# Altium PCB RabbitMask.PcbDoc (part 2 of 5)
Units mm, origin at the board's own origin, x right, y up, seen from the top; angles counter-clockwise.
Board outline 372.49 x 232.54 mm, 2 copper layers (Top Layer, Bottom Layer); 598 components, 1202 nets, 3588 pads, 0 vias.
Unrouted connection lines stored in the file: 1647.

## Board outline (continued)
cut-out: 214.997,13.266 ccw(c215.247,13.266) 215.247,13.016 ccw(c215.247,13.266) 215.497,13.266 ccw(c215.247,13.266) 215.247,13.516 ccw(c215.247,13.266)
cut-out: 211.369,12.952 ccw(c211.732,13.884) 212.101,14.813 194.383,21.712 ccw(c194.026,20.777) 193.664,19.845
cut-out: 212.625,12.687 ccw(c212.875,12.687) 212.875,12.437 ccw(c212.875,12.687) 213.125,12.687 ccw(c212.875,12.687) 212.875,12.937 ccw(c212.875,12.687)
cut-out: 213.807,12.074 ccw(c213.807,12.324) 214.057,12.324 ccw(c213.807,12.324) 213.807,12.574 ccw(c213.807,12.324) 213.557,12.324 ccw(c213.807,12.324)
cut-out: 214.739,11.711 ccw(c214.739,11.961) 214.989,11.961 ccw(c214.739,11.961) 214.739,12.211 ccw(c214.739,11.961) 214.489,11.961 ccw(c214.739,11.961)
cut-out: 190.243,-11.225 ccw(c190.493,-11.225) 190.493,-11.475 ccw(c190.493,-11.225) 190.743,-11.225 ccw(c190.493,-11.225) 190.493,-10.975 ccw(c190.493,-11.225)
cut-out: 189.854,-9.263 ccw(c190.104,-9.263) 190.104,-9.513 ccw(c190.104,-9.263) 190.354,-9.263 ccw(c190.104,-9.263) 190.104,-9.013 ccw(c190.104,-9.263)
cut-out: 185.378,13.297 cw(c185.628,13.297) 185.628,13.547 cw(c185.628,13.297) 185.878,13.297 cw(c185.628,13.297) 185.628,13.047 cw(c185.628,13.297)
cut-out: 188.144,-8.122 184.253,11.495 cw(c185.233,11.69) 186.214,11.885 190.106,-7.733 cw(c189.125,-7.928)
cut-out: 184.005,13.025 ccw(c184.255,13.025) 184.255,12.775 ccw(c184.255,13.025) 184.505,13.025 ccw(c184.255,13.025) 184.255,13.275 ccw(c184.255,13.025)
cut-out: 190.048,-10.244 ccw(c190.298,-10.244) 190.298,-10.494 ccw(c190.298,-10.244) 190.548,-10.244 ccw(c190.298,-10.244) 190.298,-9.994 ccw(c190.298,-10.244)
cut-out: 188.675,-10.516 ccw(c188.925,-10.516) 188.925,-10.766 ccw(c188.925,-10.516) 189.175,-10.516 ccw(c188.925,-10.516) 188.925,-10.266 ccw(c188.925,-10.516)
cut-out: 188.481,-9.535 ccw(c188.731,-9.535) 188.731,-9.785 ccw(c188.731,-9.535) 188.981,-9.535 ccw(c188.731,-9.535) 188.731,-9.285 ccw(c188.731,-9.535)
cut-out: 260.972,-16.053 cw(c261.222,-16.053) 261.222,-15.803 cw(c261.222,-16.053) 261.472,-16.053 cw(c261.222,-16.053) 261.222,-16.303 cw(c261.222,-16.053)
cut-out: 260.152,-15.48 cw(c260.402,-15.48) 260.402,-15.23 cw(c260.402,-15.48) 260.652,-15.48 cw(c260.402,-15.48) 260.402,-15.73 cw(c260.402,-15.48)
cut-out: 258.199,-16.013 ccw(c258.772,-15.194) 259.345,-14.374 236.4,1.673 236.399,1.673 ccw(c235.826,0.853) 235.253,0.034
cut-out: 259.35,-16.627 cw(c259.6,-16.627) 259.6,-16.377 cw(c259.6,-16.627) 259.85,-16.627 cw(c259.6,-16.627) 259.6,-16.877 cw(c259.6,-16.627)
cut-out: 260.419,-17.45 ccw(c260.419,-17.2) 260.669,-17.2 ccw(c260.419,-17.2) 260.419,-16.95 ccw(c260.419,-17.2) 260.169,-17.2 ccw(c260.419,-17.2)
cut-out: 240.041,-54.797 ccw(c240.291,-54.797) 240.291,-55.047 ccw(c240.291,-54.797) 240.541,-54.797 ccw(c240.291,-54.797) 240.291,-54.547 ccw(c240.291,-54.797)
cut-out: 228.038,-24.204 ccw(c228.288,-24.204) 228.288,-24.454 ccw(c228.288,-24.204) 228.538,-24.204 ccw(c228.288,-24.204) 228.288,-23.954 ccw(c228.288,-24.204)
cut-out: 227.987,-23.205 ccw(c228.237,-23.205) 228.237,-23.455 ccw(c228.237,-23.205) 228.487,-23.205 ccw(c228.237,-23.205) 228.237,-22.955 ccw(c228.237,-23.205)
cut-out: 228.089,-25.202 cw(c228.339,-25.202) 228.339,-24.952 cw(c228.339,-25.202) 228.589,-25.202 cw(c228.339,-25.202) 228.339,-25.452 cw(c228.339,-25.202)
cut-out: 229.262,-48.172 ccw(c229.512,-48.172) 229.512,-48.422 ccw(c229.512,-48.172) 229.762,-48.172 ccw(c229.512,-48.172) 229.512,-47.922 ccw(c229.512,-48.172)
cut-out: 229.313,-49.171 cw(c229.563,-49.171) 229.563,-48.921 cw(c229.563,-49.171) 229.813,-49.171 cw(c229.563,-49.171) 229.563,-49.421 cw(c229.563,-49.171)
cut-out: 229.364,-50.17 ccw(c229.614,-50.17) 229.614,-50.42 ccw(c229.614,-50.17) 229.864,-50.17 ccw(c229.614,-50.17) 229.614,-49.92 ccw(c229.614,-50.17)
cut-out: 227.966,-50.241 ccw(c228.216,-50.241) 228.216,-50.491 ccw(c228.216,-50.241) 228.466,-50.241 ccw(c228.216,-50.241) 228.216,-49.991 ccw(c228.216,-50.241)
cut-out: 252.493,-60.74 cw(c252.246,-59.771) 251.999,-58.802 271.381,-53.867 cw(c271.627,-54.836) 271.874,-55.805
cut-out: 250.37,-59.463 ccw(c250.62,-59.463) 250.62,-59.713 ccw(c250.62,-59.463) 250.87,-59.463 ccw(c250.62,-59.463) 250.62,-59.213 ccw(c250.62,-59.463)
cut-out: 249.4,-59.71 ccw(c249.65,-59.71) 249.65,-59.96 ccw(c249.65,-59.71) 249.9,-59.71 ccw(c249.65,-59.71) 249.65,-59.46 ccw(c249.65,-59.71)
cut-out: 248.681,-60.207 ccw(c248.681,-59.957) 248.931,-59.957 ccw(c248.681,-59.957) 248.681,-59.707 ccw(c248.681,-59.957) 248.431,-59.957 ccw(c248.681,-59.957)
cut-out: 250.965,-61.07 ccw(c250.965,-60.82) 251.215,-60.82 ccw(c250.965,-60.82) 250.965,-60.57 ccw(c250.965,-60.82) 250.715,-60.82 ccw(c250.965,-60.82)
cut-out: 249.746,-61.067 ccw(c249.996,-61.067) 249.996,-61.317 ccw(c249.996,-61.067) 250.246,-61.067 ccw(c249.996,-61.067) 249.996,-60.817 ccw(c249.996,-61.067)
cut-out: 248.777,-61.313 ccw(c249.027,-61.313) 249.027,-61.563 ccw(c249.027,-61.313) 249.277,-61.313 ccw(c249.027,-61.313) 249.027,-61.063 ccw(c249.027,-61.313)
cut-out: 241.242,-53.6 ccw(c241.888,-54.364) 242.534,-55.127 242.534,-55.128 263.153,-37.696 ccw(c262.507,-36.932) 261.862,-36.169
cut-out: 240.944,-55.867 ccw(c241.194,-55.867) 241.194,-56.117 ccw(c241.194,-55.867) 241.444,-55.867 ccw(c241.194,-55.867) 241.194,-55.617 ccw(c241.194,-55.867)
cut-out: 239.277,-55.443 ccw(c239.527,-55.443) 239.527,-55.693 ccw(c239.527,-55.443) 239.777,-55.443 ccw(c239.527,-55.443) 239.527,-55.193 ccw(c239.527,-55.443)
cut-out: 240.181,-56.512 ccw(c240.431,-56.512) 240.431,-56.762 ccw(c240.431,-56.512) 240.681,-56.512 ccw(c240.431,-56.512) 240.431,-56.262 ccw(c240.431,-56.512)
cut-out: 239.417,-57.158 cw(c239.667,-57.158) 239.667,-56.908 cw(c239.667,-57.158) 239.917,-57.158 cw(c239.667,-57.158) 239.667,-57.408 cw(c239.667,-57.158)
cut-out: 238.763,-56.339 ccw(c238.763,-56.089) 239.013,-56.089 ccw(c238.763,-56.089) 238.763,-55.839 ccw(c238.763,-56.089) 238.513,-56.089 ccw(c238.763,-56.089)
cut-out: 226.463,-21.794 ccw(c227.462,-21.743) 228.46,-21.692 227.44,-1.718 ccw(c226.442,-1.769) 225.443,-1.82
cut-out: 226.589,-23.276 ccw(c226.839,-23.276) 226.839,-23.526 ccw(c226.839,-23.276) 227.089,-23.276 ccw(c226.839,-23.276) 226.839,-23.026 ccw(c226.839,-23.276)
cut-out: 226.691,-25.274 ccw(c226.941,-25.274) 226.941,-25.524 ccw(c226.941,-25.274) 227.191,-25.274 ccw(c226.941,-25.274) 226.941,-25.024 ccw(c226.941,-25.274)
cut-out: 226.64,-24.275 ccw(c226.89,-24.275) 226.89,-24.525 ccw(c226.89,-24.275) 227.14,-24.275 ccw(c226.89,-24.275) 226.89,-24.025 ccw(c226.89,-24.275)
cut-out: 227.738,-46.761 226.718,-26.787 cw(c227.717,-26.736) 228.715,-26.685 229.735,-46.659 cw(c228.736,-46.71)
cut-out: 227.864,-48.244 cw(c228.114,-48.244) 228.114,-47.994 cw(c228.114,-48.244) 228.364,-48.244 cw(c228.114,-48.244) 228.114,-48.494 cw(c228.114,-48.244)
cut-out: 227.915,-49.243 cw(c228.165,-49.243) 228.165,-48.993 cw(c228.165,-49.243) 228.415,-49.243 cw(c228.165,-49.243) 228.165,-49.493 cw(c228.165,-49.243)
cut-out: 197.874,-57.166 193.982,-37.549 cw(c194.963,-37.354) 195.944,-37.16 199.836,-56.777 cw(c198.855,-56.972)
cut-out: 194.719,-33.785 ccw(c194.969,-33.785) 194.969,-34.035 ccw(c194.969,-33.785) 195.219,-33.785 ccw(c194.969,-33.785) 194.969,-33.535 ccw(c194.969,-33.785)
cut-out: 188.87,-11.497 ccw(c189.12,-11.497) 189.12,-11.747 ccw(c189.12,-11.497) 189.37,-11.497 ccw(c189.12,-11.497) 189.12,-11.247 ccw(c189.12,-11.497)
cut-out: 193.009,-32.644 ccw(c193.99,-32.45) 194.971,-32.255 191.079,-12.638 ccw(c190.098,-12.832) 189.117,-13.027
cut-out: 193.346,-34.057 ccw(c193.596,-34.057) 193.596,-34.307 ccw(c193.596,-34.057) 193.846,-34.057 ccw(c193.596,-34.057) 193.596,-33.807 ccw(c193.596,-34.057)
cut-out: 194.913,-34.766 ccw(c195.163,-34.766) 195.163,-35.016 ccw(c195.163,-34.766) 195.413,-34.766 ccw(c195.163,-34.766) 195.163,-34.516 ccw(c195.163,-34.766)
cut-out: 195.108,-35.747 ccw(c195.358,-35.747) 195.358,-35.997 ccw(c195.358,-35.747) 195.608,-35.747 ccw(c195.358,-35.747) 195.358,-35.497 ccw(c195.358,-35.747)
cut-out: 193.735,-36.019 ccw(c193.985,-36.019) 193.985,-36.269 ccw(c193.985,-36.019) 194.235,-36.019 ccw(c193.985,-36.019) 193.985,-35.769 ccw(c193.985,-36.019)
cut-out: 193.54,-35.038 ccw(c193.79,-35.038) 193.79,-35.288 ccw(c193.79,-35.038) 194.04,-35.038 ccw(c193.79,-35.038) 193.79,-34.788 ccw(c193.79,-35.038)
cut-out: 211.486,-63.072 ccw(c211.736,-63.072) 211.736,-63.322 ccw(c211.736,-63.072) 211.986,-63.072 ccw(c211.736,-63.072) 211.736,-62.822 ccw(c211.736,-63.072)
cut-out: 210.744,-63.442 ccw(c210.744,-63.192) 210.994,-63.192 ccw(c210.744,-63.192) 210.744,-62.942 ccw(c210.744,-63.192) 210.494,-63.192 ccw(c210.744,-63.192)
cut-out: 209.501,-63.312 ccw(c209.751,-63.312) 209.751,-63.562 ccw(c209.751,-63.312) 210.001,-63.312 ccw(c209.751,-63.312) 209.751,-63.062 ccw(c209.751,-63.312)
cut-out: 221.425,-63.609 230.279,-66.397 247.647,-61.974 ccw(c247.4,-61.005) 247.154,-60.036 232.233,-63.836 238.715,-58.356 238.715,-58.355 ccw(c238.07,-57.592) 237.424,-56.828 230.551,-62.638 229.99,-51.653 ccw(c228.991,-51.704) 227.993,-51.755 228.451,-60.743 213.189,-62.593 ccw(c213.31,-63.586) 213.43,-64.579
cut-out: 211.655,-64.461 ccw(c211.905,-64.461) 211.905,-64.711 ccw(c211.905,-64.461) 212.155,-64.461 ccw(c211.905,-64.461) 211.905,-64.211 ccw(c211.905,-64.461)
cut-out: 210.912,-64.832 ccw(c210.912,-64.582) 211.162,-64.582 ccw(c210.912,-64.582) 210.912,-64.332 ccw(c210.912,-64.582) 210.662,-64.582 ccw(c210.912,-64.582)
cut-out: 209.669,-64.702 ccw(c209.919,-64.702) 209.919,-64.952 ccw(c209.919,-64.702) 210.169,-64.702 ccw(c209.919,-64.702) 209.919,-64.452 ccw(c209.919,-64.702)
cut-out: 199.834,-58.557 ccw(c199.834,-58.307) 200.084,-58.307 ccw(c199.834,-58.307) 199.834,-58.057 ccw(c199.834,-58.307) 199.584,-58.307 ccw(c199.834,-58.307)
cut-out: 199.778,-59.288 ccw(c200.028,-59.288) 200.028,-59.538 ccw(c200.028,-59.288) 200.278,-59.288 ccw(c200.028,-59.288) 200.028,-59.038 ccw(c200.028,-59.288)
cut-out: 198.211,-58.579 ccw(c198.461,-58.579) 198.461,-58.829 ccw(c198.461,-58.579) 198.711,-58.579 ccw(c198.461,-58.579) 198.461,-58.329 ccw(c198.461,-58.579)
cut-out: 198.405,-59.56 ccw(c198.655,-59.56) 198.655,-59.81 ccw(c198.655,-59.56) 198.905,-59.56 ccw(c198.655,-59.56) 198.655,-59.31 ccw(c198.655,-59.56)
cut-out: 200.223,-60.519 ccw(c200.223,-60.269) 200.473,-60.269 ccw(c200.223,-60.269) 200.223,-60.019 ccw(c200.223,-60.269) 199.973,-60.269 ccw(c200.223,-60.269)
cut-out: 199.676,-66.246 198.847,-62.071 cw(c199.828,-61.876) 200.809,-61.682 201.277,-64.038 208.226,-63.195 cw(c208.346,-64.188) 208.466,-65.181
cut-out: 198.6,-60.541 ccw(c198.85,-60.541) 198.85,-60.791 ccw(c198.85,-60.541) 199.1,-60.541 ccw(c198.85,-60.541) 198.85,-60.291 ccw(c198.85,-60.541)
cut-out: 149.67,141.587 cw(c149.67,141.837) 149.42,141.837 cw(c149.67,141.837) 149.67,142.087 cw(c149.67,141.837) 149.92,141.837 cw(c149.67,141.837)
cut-out: 148.671,141.559 cw(c148.671,141.809) 148.421,141.809 cw(c148.671,141.809) 148.671,142.059 cw(c148.671,141.809) 148.921,141.809 cw(c148.671,141.809)
cut-out: 149.71,140.187 cw(c149.71,140.437) 149.46,140.437 cw(c149.71,140.437) 149.71,140.687 cw(c149.71,140.437) 149.96,140.437 cw(c149.71,140.437)
cut-out: 147.671,141.53 ccw(c147.671,141.78) 147.921,141.78 ccw(c147.671,141.78) 147.671,142.03 ccw(c147.671,141.78) 147.421,141.78 ccw(c147.671,141.78)
cut-out: 148.71,140.159 cw(c148.71,140.409) 148.46,140.409 cw(c148.71,140.409) 148.71,140.659 cw(c148.71,140.409) 148.96,140.409 cw(c148.71,140.409)
cut-out: 147.711,140.131 cw(c147.711,140.381) 147.461,140.381 cw(c147.711,140.381) 147.711,140.631 cw(c147.711,140.381) 147.961,140.381 cw(c147.711,140.381)
cut-out: 129.678,141.021 ccw(c129.678,141.271) 129.928,141.271 ccw(c129.678,141.271) 129.678,141.521 ccw(c129.678,141.271) 129.428,141.271 ccw(c129.678,141.271)
cut-out: 128.679,140.993 cw(c128.679,141.243) 128.429,141.243 cw(c128.679,141.243) 128.679,141.493 cw(c128.679,141.243) 128.929,141.243 cw(c128.679,141.243)
cut-out: 127.679,140.965 cw(c127.679,141.215) 127.429,141.215 cw(c127.679,141.215) 127.679,141.465 cw(c127.679,141.215) 127.929,141.215 cw(c127.679,141.215)
cut-out: 129.718,139.622 cw(c129.718,139.872) 129.468,139.872 cw(c129.718,139.872) 129.718,140.122 cw(c129.718,139.872) 129.968,139.872 cw(c129.718,139.872)
cut-out: 109.686,140.456 ccw(c109.686,140.706) 109.936,140.706 ccw(c109.686,140.706) 109.686,140.956 ccw(c109.686,140.706) 109.436,140.706 ccw(c109.686,140.706)
cut-out: 166.145,128.035 cw(c166.145,128.285) 165.895,128.285 cw(c166.145,128.285) 166.145,128.535 cw(c166.145,128.285) 166.395,128.285 cw(c166.145,128.285)
cut-out: 166.007,127.291 cw(c166.257,127.291) 166.257,127.541 cw(c166.257,127.291) 166.507,127.291 cw(c166.257,127.291) 166.257,127.041 cw(c166.257,127.291)
cut-out: 168.278,109.155 cw(c168.278,109.405) 168.028,109.405 cw(c168.278,109.405) 168.278,109.655 cw(c168.278,109.405) 168.528,109.405 cw(c168.278,109.405)
cut-out: 166.42,110.704 164.737,125.61 cw(c165.73,125.722) 166.724,125.834 168.408,110.929 cw(c167.414,110.817)
cut-out: 166.887,108.998 cw(c166.887,109.248) 166.637,109.248 cw(c166.887,109.248) 166.887,109.498 cw(c166.887,109.248) 167.137,109.248 cw(c166.887,109.248)
cut-out: 131.226,139.615 cw(c131.198,140.614) 131.169,141.614 146.163,142.038 cw(c146.192,141.038) 146.22,140.039
cut-out: 128.718,139.594 cw(c128.718,139.844) 128.468,139.844 cw(c128.718,139.844) 128.718,140.094 cw(c128.718,139.844) 128.968,139.844 cw(c128.718,139.844)
cut-out: 164.175,130.578 163.053,140.515 151.218,140.18 cw(c151.19,141.18) 151.161,142.179 164.834,142.566 166.163,130.802 cw(c165.169,130.69)
cut-out: 127.719,139.565 ccw(c127.719,139.815) 127.969,139.815 ccw(c127.719,139.815) 127.719,140.065 ccw(c127.719,139.815) 127.469,139.815 ccw(c127.719,139.815)
cut-out: 111.234,139.049 126.228,139.473 ccw(c126.2,140.473) 126.171,141.472 111.177,141.048 ccw(c111.206,140.049)
cut-out: 109.726,139.056 cw(c109.726,139.306) 109.476,139.306 cw(c109.726,139.306) 109.726,139.556 cw(c109.726,139.306) 109.976,139.306 cw(c109.726,139.306)
cut-out: 166.033,129.028 cw(c166.033,129.278) 165.783,129.278 cw(c166.033,129.278) 166.033,129.528 cw(c166.033,129.278) 166.283,129.278 cw(c166.033,129.278)
cut-out: 164.392,129.121 cw(c164.642,129.121) 164.642,129.371 cw(c164.642,129.121) 164.892,129.121 cw(c164.642,129.121) 164.642,128.871 cw(c164.642,129.121)
cut-out: 164.866,126.884 cw(c164.866,127.134) 164.616,127.134 cw(c164.866,127.134) 164.866,127.384 cw(c164.866,127.134) 165.116,127.134 cw(c164.866,127.134)
cut-out: 164.754,127.877 cw(c164.754,128.127) 164.504,128.127 cw(c164.754,128.127) 164.754,128.377 cw(c164.754,128.127) 165.004,128.127 cw(c164.754,128.127)
cut-out: 108.687,140.428 cw(c108.687,140.678) 108.437,140.678 cw(c108.687,140.678) 108.687,140.928 cw(c108.687,140.678) 108.937,140.678 cw(c108.687,140.678)
cut-out: 107.437,140.649 cw(c107.687,140.649) 107.687,140.899 cw(c107.687,140.649) 107.937,140.649 cw(c107.687,140.649) 107.687,140.399 cw(c107.687,140.649)
cut-out: 108.726,139.028 ccw(c108.726,139.278) 108.976,139.278 ccw(c108.726,139.278) 108.726,139.528 ccw(c108.726,139.278) 108.476,139.278 ccw(c108.726,139.278)
cut-out: 107.727,139 cw(c107.727,139.25) 107.477,139.25 cw(c107.727,139.25) 107.727,139.5 cw(c107.727,139.25) 107.977,139.25 cw(c107.727,139.25)
cut-out: 95.611,133.25 95.159,139.735 86.207,140.338 cw(c86.274,141.336) 86.342,142.334 100.386,141.387 103.06,140.819 106.179,140.907 cw(c106.208,139.907) 106.236,138.908 97.239,138.653 97.606,133.39 cw(c96.609,133.32)
cut-out: 84.825,141.885 ccw(c84.825,142.135) 85.075,142.135 ccw(c84.825,142.135) 84.825,142.385 ccw(c84.825,142.135) 84.575,142.135 ccw(c84.825,142.135)
cut-out: 82.829,142.02 cw(c82.829,142.27) 82.579,142.27 cw(c82.829,142.27) 82.829,142.52 cw(c82.829,142.27) 83.079,142.27 cw(c82.829,142.27)
cut-out: 83.827,141.952 cw(c83.827,142.202) 83.577,142.202 cw(c83.827,142.202) 83.827,142.452 cw(c83.827,142.202) 84.077,142.202 cw(c83.827,142.202)
cut-out: 84.731,140.488 ccw(c84.731,140.738) 84.981,140.738 ccw(c84.731,140.738) 84.731,140.988 ccw(c84.731,140.738) 84.481,140.738 ccw(c84.731,140.738)
cut-out: 83.733,140.556 cw(c83.733,140.806) 83.483,140.806 cw(c83.733,140.806) 83.733,141.056 cw(c83.733,140.806) 83.983,140.806 cw(c83.733,140.806)
cut-out: 82.735,140.623 cw(c82.735,140.873) 82.485,140.873 cw(c82.735,140.873) 82.735,141.123 cw(c82.735,140.873) 82.985,140.873 cw(c82.735,140.873)
cut-out: 98.553,111.921 cw(c98.803,111.921) 98.803,112.171 cw(c98.803,111.921) 99.053,111.921 cw(c98.803,111.921) 98.803,111.671 cw(c98.803,111.921)
cut-out: 98.942,109.676 cw(c98.942,109.926) 98.692,109.926 cw(c98.942,109.926) 98.942,110.176 cw(c98.942,109.926) 99.192,109.926 cw(c98.942,109.926)
cut-out: 98.872,110.673 cw(c98.872,110.923) 98.622,110.923 cw(c98.872,110.923) 98.872,111.173 cw(c98.872,110.923) 99.122,110.923 cw(c98.872,110.923)
cut-out: 97.411,131.622 cw(c97.411,131.872) 97.161,131.872 cw(c97.411,131.872) 97.411,132.122 cw(c97.411,131.872) 97.661,131.872 cw(c97.411,131.872)
cut-out: 97.481,130.625 cw(c97.481,130.875) 97.231,130.875 cw(c97.481,130.875) 97.481,131.125 cw(c97.481,130.875) 97.731,130.875 cw(c97.481,130.875)
cut-out: 96.015,131.525 cw(c96.015,131.775) 95.765,131.775 cw(c96.015,131.775) 96.015,132.025 cw(c96.015,131.775) 96.265,131.775 cw(c96.015,131.775)
cut-out: 95.834,130.777 cw(c96.084,130.777) 96.084,131.027 cw(c96.084,130.777) 96.334,130.777 cw(c96.084,130.777) 96.084,130.527 cw(c96.084,130.777)
cut-out: 97.55,129.627 cw(c97.55,129.877) 97.3,129.877 cw(c97.55,129.877) 97.55,130.127 cw(c97.55,129.877) 97.8,129.877 cw(c97.55,129.877)
cut-out: 97.545,109.578 cw(c97.545,109.828) 97.295,109.828 cw(c97.545,109.828) 97.545,110.078 cw(c97.545,109.828) 97.795,109.828 cw(c97.545,109.828)
cut-out: 97.475,110.576 cw(c97.475,110.826) 97.225,110.826 cw(c97.475,110.826) 97.475,111.076 cw(c97.475,110.826) 97.725,110.826 cw(c97.475,110.826)
cut-out: 96.154,129.53 cw(c96.154,129.78) 95.904,129.78 cw(c96.154,129.78) 96.154,130.03 cw(c96.154,129.78) 96.404,129.78 cw(c96.154,129.78)
cut-out: 97.406,111.573 cw(c97.406,111.823) 97.156,111.823 cw(c97.406,111.823) 97.406,112.073 cw(c97.406,111.823) 97.656,111.823 cw(c97.406,111.823)
cut-out: 97.002,113.299 95.959,128.263 cw(c96.957,128.332) 97.954,128.402 98.998,113.438 cw(c98,113.368)
cut-out: 170.273,89.531 ccw(c170.523,89.531) 170.523,89.281 ccw(c170.523,89.531) 170.773,89.531 ccw(c170.523,89.531) 170.523,89.781 ccw(c170.523,89.531)
cut-out: 170.385,88.537 ccw(c170.635,88.537) 170.635,88.287 ccw(c170.635,88.537) 170.885,88.537 ccw(c170.635,88.537) 170.635,88.787 ccw(c170.635,88.537)
cut-out: 170.747,87.294 ccw(c170.747,87.544) 170.997,87.544 ccw(c170.747,87.544) 170.747,87.794 ccw(c170.747,87.544) 170.497,87.544 ccw(c170.747,87.544)
cut-out: 168.994,88.38 ccw(c169.244,88.38) 169.244,88.13 ccw(c169.244,88.38) 169.494,88.38 ccw(c169.244,88.38) 169.244,88.63 ccw(c169.244,88.38)
cut-out: 169.106,87.387 cw(c169.356,87.387) 169.356,87.637 cw(c169.356,87.387) 169.606,87.387 cw(c169.356,87.387) 169.356,87.137 cw(c169.356,87.387)
cut-out: 168.39,108.161 cw(c168.39,108.411) 168.14,108.411 cw(c168.39,108.411) 168.39,108.661 cw(c168.39,108.411) 168.64,108.411 cw(c168.39,108.411)
cut-out: 168.502,107.167 ccw(c168.502,107.417) 168.752,107.417 ccw(c168.502,107.417) 168.502,107.667 ccw(c168.502,107.417) 168.252,107.417 ccw(c168.502,107.417)
cut-out: 166.999,108.004 cw(c166.999,108.254) 166.749,108.254 cw(c166.999,108.254) 166.999,108.504 cw(c166.999,108.254) 167.249,108.254 cw(c166.999,108.254)
cut-out: 168.665,90.831 166.981,105.736 cw(c167.975,105.848) 168.969,105.96 170.652,91.055 cw(c169.659,90.943)
cut-out: 167.111,107.01 cw(c167.111,107.26) 166.861,107.26 cw(c167.111,107.26) 167.111,107.51 cw(c167.111,107.26) 167.361,107.26 cw(c167.111,107.26)
cut-out: 168.882,89.374 cw(c169.132,89.374) 169.132,89.624 cw(c169.132,89.374) 169.382,89.374 cw(c169.132,89.374) 169.132,89.124 cw(c169.132,89.374)
cut-out: 153.09,68.597 ccw(c153.09,68.847) 153.34,68.847 ccw(c153.09,68.847) 153.09,69.097 ccw(c153.09,68.847) 152.84,68.847 ccw(c153.09,68.847)
cut-out: 151.84,68.846 ccw(c152.09,68.846) 152.09,68.596 ccw(c152.09,68.846) 152.34,68.846 ccw(c152.09,68.846) 152.09,69.096 ccw(c152.09,68.846)
cut-out: 173.5,39.874 cw(c176,39.874) 176,42.374 cw(c176,39.874) 178.5,39.874 cw(c176,39.874) 176,37.374 cw(c176,39.874)
cut-out: 168.236,39.493 ccw(c168.486,39.493) 168.486,39.243 ccw(c168.486,39.493) 168.736,39.493 ccw(c168.486,39.493) 168.486,39.743 ccw(c168.486,39.493)
cut-out: 168.35,38.5 ccw(c168.6,38.5) 168.6,38.25 ccw(c168.6,38.5) 168.85,38.5 ccw(c168.6,38.5) 168.6,38.75 ccw(c168.6,38.5)
cut-out: 168.714,37.256 ccw(c168.714,37.506) 168.964,37.506 ccw(c168.714,37.506) 168.714,37.756 ccw(c168.714,37.506) 168.464,37.506 ccw(c168.714,37.506)
cut-out: 167.209,38.089 ccw(c167.209,38.339) 167.459,38.339 ccw(c167.209,38.339) 167.209,38.589 ccw(c167.209,38.339) 166.959,38.339 ccw(c167.209,38.339)
cut-out: 167.074,37.346 cw(c167.324,37.346) 167.324,37.596 cw(c167.324,37.346) 167.574,37.346 cw(c167.324,37.346) 167.324,37.096 cw(c167.324,37.346)
cut-out: 150.84,68.846 ccw(c151.09,68.846) 151.09,68.596 ccw(c151.09,68.846) 151.34,68.846 ccw(c151.09,68.846) 151.09,69.096 ccw(c151.09,68.846)
cut-out: 152.84,67.447 ccw(c153.09,67.447) 153.09,67.197 ccw(c153.09,67.447) 153.34,67.447 ccw(c153.09,67.447) 153.09,67.697 ccw(c153.09,67.447)
cut-out: 166.845,39.333 ccw(c167.095,39.333) 167.095,39.083 ccw(c167.095,39.333) 167.345,39.333 ccw(c167.095,39.333) 167.095,39.583 ccw(c167.095,39.333)
cut-out: 166.625,40.789 163.59,67.147 154.59,67.147 cw(c154.59,68.147) 154.563,69.146 171.114,69.147 169.226,85.862 cw(c170.22,85.975) 171.214,86.087 174,61.422 167.525,50.456 168.612,41.018 cw(c167.619,40.903)
cut-out: 151.84,67.446 ccw(c152.09,67.446) 152.09,67.196 ccw(c152.09,67.446) 152.34,67.446 ccw(c152.09,67.446) 152.09,67.696 ccw(c152.09,67.446)
cut-out: 150.84,67.446 ccw(c151.09,67.446) 151.09,67.196 ccw(c151.09,67.446) 151.34,67.446 ccw(c151.09,67.446) 151.09,67.696 ccw(c151.09,67.446)
cut-out: 134.59,67.145 149.59,67.146 ccw(c149.59,68.146) 149.616,69.146 134.567,69.145 ccw(c134.59,68.145)
cut-out: 133.09,67.195 cw(c133.09,67.445) 132.84,67.445 cw(c133.09,67.445) 133.09,67.695 cw(c133.09,67.445) 133.34,67.445 cw(c133.09,67.445)
cut-out: 133.09,68.595 cw(c133.09,68.845) 132.84,68.845 cw(c133.09,68.845) 133.09,69.095 cw(c133.09,68.845) 133.34,68.845 cw(c133.09,68.845)
cut-out: 132.09,68.595 cw(c132.09,68.845) 131.84,68.845 cw(c132.09,68.845) 132.09,69.095 cw(c132.09,68.845) 132.34,68.845 cw(c132.09,68.845)
cut-out: 131.09,68.595 ccw(c131.09,68.845) 131.34,68.845 ccw(c131.09,68.845) 131.09,69.095 ccw(c131.09,68.845) 130.84,68.845 ccw(c131.09,68.845)
cut-out: 113.09,68.594 cw(c113.09,68.844) 112.84,68.844 cw(c113.09,68.844) 113.09,69.094 cw(c113.09,68.844) 113.34,68.844 cw(c113.09,68.844)
cut-out: 112.09,68.594 cw(c112.09,68.844) 111.84,68.844 cw(c112.09,68.844) 112.09,69.094 cw(c112.09,68.844) 112.34,68.844 cw(c112.09,68.844)
cut-out: 100.194,91.719 ccw(c100.194,91.969) 100.444,91.969 ccw(c100.194,91.969) 100.194,92.219 ccw(c100.194,91.969) 99.944,91.969 ccw(c100.194,91.969)
cut-out: 98.393,93.347 97.35,108.311 cw(c98.348,108.381) 99.345,108.45 100.389,93.486 cw(c99.391,93.417)
cut-out: 98.797,91.622 cw(c98.797,91.872) 98.547,91.872 cw(c98.797,91.872) 98.797,92.122 cw(c98.797,91.872) 99.047,91.872 cw(c98.797,91.872)
cut-out: 100.263,90.722 cw(c100.263,90.972) 100.013,90.972 cw(c100.263,90.972) 100.263,91.222 cw(c100.263,90.972) 100.513,90.972 cw(c100.263,90.972)
cut-out: 100.333,89.724 cw(c100.333,89.974) 100.083,89.974 cw(c100.333,89.974) 100.333,90.224 cw(c100.333,89.974) 100.583,89.974 cw(c100.333,89.974)
cut-out: 98.617,90.874 cw(c98.867,90.874) 98.867,91.124 cw(c98.867,90.874) 99.117,90.874 cw(c98.867,90.874) 98.867,90.624 cw(c98.867,90.874)
cut-out: 98.936,89.627 cw(c98.936,89.877) 98.686,89.877 cw(c98.936,89.877) 98.936,90.127 cw(c98.936,89.877) 99.186,89.877 cw(c98.936,89.877)
cut-out: 111.09,68.594 ccw(c111.09,68.844) 111.34,68.844 ccw(c111.09,68.844) 111.09,69.094 ccw(c111.09,68.844) 110.84,68.844 ccw(c111.09,68.844)
cut-out: 132.09,67.195 ccw(c132.09,67.445) 132.34,67.445 ccw(c132.09,67.445) 132.09,67.695 ccw(c132.09,67.445) 131.84,67.445 ccw(c132.09,67.445)
cut-out: 131.09,67.195 ccw(c131.09,67.445) 131.34,67.445 ccw(c131.09,67.445) 131.09,67.695 ccw(c131.09,67.445) 130.84,67.445 ccw(c131.09,67.445)
cut-out: 114.59,67.144 129.59,67.145 ccw(c129.59,68.145) 129.612,69.145 114.571,69.144 ccw(c114.59,68.144)
cut-out: 113.09,67.194 cw(c113.09,67.444) 112.84,67.444 cw(c113.09,67.444) 113.09,67.694 cw(c113.09,67.444) 113.34,67.444 cw(c113.09,67.444)
cut-out: 112.09,67.194 ccw(c112.09,67.444) 112.34,67.444 ccw(c112.09,67.444) 112.09,67.694 ccw(c112.09,67.444) 111.84,67.444 ccw(c112.09,67.444)
cut-out: 111.09,67.194 cw(c111.09,67.444) 110.84,67.444 cw(c111.09,67.444) 111.09,67.694 cw(c111.09,67.444) 111.34,67.444 cw(c111.09,67.444)
cut-out: 82.386,29.414 cw(c82.386,29.664) 82.136,29.664 cw(c82.386,29.664) 82.386,29.914 cw(c82.386,29.664) 82.636,29.664 cw(c82.386,29.664)
cut-out: 71.562,51.95 cw(c71.562,52.2) 71.312,52.2 cw(c71.562,52.2) 71.562,52.45 cw(c71.562,52.2) 71.812,52.2 cw(c71.562,52.2)
cut-out: 70.679,50.111 cw(c71.58,50.544) 72.482,50.977 82.007,31.146 cw(c81.105,30.713) 80.204,30.28
cut-out: 82.819,28.513 cw(c82.819,28.763) 82.569,28.763 cw(c82.819,28.763) 82.819,29.013 cw(c82.819,28.763) 83.069,28.763 cw(c82.819,28.763)
cut-out: 81.557,27.907 cw(c81.557,28.157) 81.307,28.157 cw(c81.557,28.157) 81.557,28.407 cw(c81.557,28.157) 81.807,28.157 cw(c81.557,28.157)
cut-out: 81.124,28.808 cw(c81.124,29.058) 80.874,29.058 cw(c81.124,29.058) 81.124,29.308 cw(c81.124,29.058) 81.374,29.058 cw(c81.124,29.058)
cut-out: 66.252,141.683 cw(c66.32,142.681) 66.387,143.679 81.353,142.67 cw(c81.286,141.672) 81.218,140.674
cut-out: 62.875,143.365 cw(c62.875,143.615) 62.625,143.615 cw(c62.875,143.615) 62.875,143.865 cw(c62.875,143.615) 63.125,143.615 cw(c62.875,143.615)
cut-out: 63.872,143.298 cw(c63.872,143.548) 63.622,143.548 cw(c63.872,143.548) 63.872,143.798 cw(c63.872,143.548) 64.122,143.548 cw(c63.872,143.548)
cut-out: 64.87,143.23 cw(c64.87,143.48) 64.62,143.48 cw(c64.87,143.48) 64.87,143.73 cw(c64.87,143.48) 65.12,143.48 cw(c64.87,143.48)
cut-out: 64.776,141.833 ccw(c64.776,142.083) 65.026,142.083 ccw(c64.776,142.083) 64.776,142.333 ccw(c64.776,142.083) 64.526,142.083 ccw(c64.776,142.083)
cut-out: 63.778,141.901 cw(c63.778,142.151) 63.528,142.151 cw(c63.778,142.151) 63.778,142.401 cw(c63.778,142.151) 64.028,142.151 cw(c63.778,142.151)
cut-out: 62.78,141.968 cw(c62.78,142.218) 62.53,142.218 cw(c62.78,142.218) 62.78,142.468 cw(c62.78,142.218) 63.03,142.218 cw(c62.78,142.218)
cut-out: 46.298,143.028 cw(c46.365,144.026) 46.432,145.024 61.398,144.015 cw(c61.331,143.017) 61.264,142.02
cut-out: 44.915,144.575 cw(c44.915,144.825) 44.665,144.825 cw(c44.915,144.825) 44.915,145.075 cw(c44.915,144.825) 45.165,144.825 cw(c44.915,144.825)
cut-out: 42.92,144.71 cw(c42.92,144.96) 42.67,144.96 cw(c42.92,144.96) 42.92,145.21 cw(c42.92,144.96) 43.17,144.96 cw(c42.92,144.96)
cut-out: 43.918,144.643 cw(c43.918,144.893) 43.668,144.893 cw(c43.918,144.893) 43.918,145.143 cw(c43.918,144.893) 44.168,144.893 cw(c43.918,144.893)
cut-out: 44.821,143.179 ccw(c44.821,143.429) 45.071,143.429 ccw(c44.821,143.429) 44.821,143.679 ccw(c44.821,143.429) 44.571,143.429 ccw(c44.821,143.429)
cut-out: 43.823,143.246 cw(c43.823,143.496) 43.573,143.496 cw(c43.823,143.496) 43.823,143.746 cw(c43.823,143.496) 44.073,143.496 cw(c43.823,143.496)
cut-out: 42.826,143.313 cw(c42.826,143.563) 42.576,143.563 cw(c42.826,143.563) 42.826,143.813 cw(c42.826,143.563) 43.076,143.563 cw(c42.826,143.563)
cut-out: 28.092,139.163 29.785,146.146 41.443,145.36 cw(c41.376,144.362) 41.309,143.365 31.332,144.037 30.035,138.692 cw(c29.064,138.928)
cut-out: 29.14,137.305 cw(c29.39,137.305) 29.39,137.555 cw(c29.39,137.305) 29.64,137.305 cw(c29.39,137.305) 29.39,137.055 cw(c29.39,137.305)
cut-out: 28.03,137.385 cw(c28.03,137.635) 27.78,137.635 cw(c28.03,137.635) 28.03,137.885 cw(c28.03,137.635) 28.28,137.635 cw(c28.03,137.635)
cut-out: 29.155,136.083 cw(c29.155,136.333) 28.905,136.333 cw(c29.155,136.333) 29.155,136.583 cw(c29.155,136.333) 29.405,136.333 cw(c29.155,136.333)
cut-out: 27.794,136.413 ccw(c27.794,136.663) 28.044,136.663 ccw(c27.794,136.663) 27.794,136.913 ccw(c27.794,136.663) 27.544,136.663 ccw(c27.794,136.663)
cut-out: 28.669,135.361 cw(c28.919,135.361) 28.919,135.611 cw(c28.919,135.361) 29.169,135.361 cw(c28.919,135.361) 28.919,135.111 cw(c28.919,135.361)
cut-out: 27.309,135.691 cw(c27.559,135.691) 27.559,135.941 cw(c27.559,135.691) 27.809,135.691 cw(c27.559,135.691) 27.559,135.441 cw(c27.559,135.691)
cut-out: 23.614,120.699 ccw(c24.586,120.463) 25.558,120.227 28.857,133.833 ccw(c27.885,134.069) 26.914,134.304
cut-out: 24.663,118.84 cw(c24.913,118.84) 24.913,119.09 cw(c24.913,118.84) 25.163,118.84 cw(c24.913,118.84) 24.913,118.59 cw(c24.913,118.84)
cut-out: 23.553,118.92 cw(c23.553,119.17) 23.303,119.17 cw(c23.553,119.17) 23.553,119.42 cw(c23.553,119.17) 23.803,119.17 cw(c23.553,119.17)
cut-out: 24.677,117.618 cw(c24.677,117.868) 24.427,117.868 cw(c24.677,117.868) 24.677,118.118 cw(c24.677,117.868) 24.927,117.868 cw(c24.677,117.868)
cut-out: 23.317,117.948 cw(c23.317,118.198) 23.067,118.198 cw(c23.317,118.198) 23.317,118.448 cw(c23.317,118.198) 23.567,118.198 cw(c23.317,118.198)
cut-out: 24.192,116.897 cw(c24.442,116.897) 24.442,117.147 cw(c24.442,116.897) 24.692,116.897 cw(c24.442,116.897) 24.442,116.647 cw(c24.442,116.897)
cut-out: 23.081,116.976 cw(c23.081,117.226) 22.831,117.226 cw(c23.081,117.226) 23.081,117.476 cw(c23.081,117.226) 23.331,117.226 cw(c23.081,117.226)
cut-out: 19.137,102.234 ccw(c20.109,101.998) 21.081,101.762 24.38,115.368 ccw(c23.408,115.604) 22.436,115.839
cut-out: 19.075,100.455 cw(c19.075,100.705) 18.825,100.705 cw(c19.075,100.705) 19.075,100.955 cw(c19.075,100.705) 19.325,100.705 cw(c19.075,100.705)
cut-out: 52.215,74.182 cw(c52.215,74.432) 51.965,74.432 cw(c52.215,74.432) 52.215,74.682 cw(c52.215,74.432) 52.465,74.432 cw(c52.215,74.432)
cut-out: 51.083,74.905 cw(c51.333,74.905) 51.333,75.155 cw(c51.333,74.905) 51.583,74.905 cw(c51.333,74.905) 51.333,74.655 cw(c51.333,74.905)
cut-out: 53.096,73.709 ccw(c53.096,73.959) 53.346,73.959 ccw(c53.096,73.959) 53.096,74.209 ccw(c53.096,73.959) 52.846,73.959 ccw(c53.096,73.959)
cut-out: 52.183,72.725 cw(c52.433,72.725) 52.433,72.975 cw(c52.433,72.725) 52.683,72.725 cw(c52.433,72.725) 52.433,72.475 cw(c52.433,72.725)
cut-out: 50.671,73.421 cw(c50.671,73.671) 50.421,73.671 cw(c50.671,73.671) 50.671,73.921 cw(c50.671,73.671) 50.921,73.671 cw(c50.671,73.671)
cut-out: 51.552,72.948 cw(c51.552,73.198) 51.302,73.198 cw(c51.552,73.198) 51.552,73.448 cw(c51.552,73.198) 51.802,73.198 cw(c51.552,73.198)
cut-out: 27.545,87.426 cw(c27.545,87.676) 27.295,87.676 cw(c27.545,87.676) 27.545,87.926 cw(c27.545,87.676) 27.795,87.676 cw(c27.545,87.676)
cut-out: 25.783,88.372 cw(c25.783,88.622) 25.533,88.622 cw(c25.783,88.622) 25.783,88.872 cw(c25.783,88.622) 26.033,88.622 cw(c25.783,88.622)
cut-out: 26.664,87.899 cw(c26.664,88.149) 26.414,88.149 cw(c26.664,88.149) 26.664,88.399 cw(c26.664,88.149) 26.914,88.149 cw(c26.664,88.149)
cut-out: 28.062,85.469 cw(c28.535,86.35) 29.008,87.231 50.154,75.879 cw(c49.681,74.997) 49.208,74.116
cut-out: 26.883,86.193 cw(c26.883,86.443) 26.633,86.443 cw(c26.883,86.443) 26.883,86.693 cw(c26.883,86.443) 27.133,86.443 cw(c26.883,86.443)
cut-out: 25.121,87.139 cw(c25.121,87.389) 24.871,87.389 cw(c25.121,87.389) 25.121,87.639 cw(c25.121,87.389) 25.371,87.389 cw(c25.121,87.389)
cut-out: 26.002,86.666 cw(c26.002,86.916) 25.752,86.916 cw(c26.002,86.916) 26.002,87.166 cw(c26.002,86.916) 26.252,86.916 cw(c26.002,86.916)
cut-out: 70.696,53.752 ccw(c70.696,54.002) 70.946,54.002 ccw(c70.696,54.002) 70.696,54.252 ccw(c70.696,54.002) 70.446,54.002 ccw(c70.696,54.002)
cut-out: 65.464,54.945 cw(c65.464,55.195) 65.214,55.195 cw(c65.464,55.195) 65.464,55.445 cw(c65.464,55.195) 65.714,55.195 cw(c65.464,55.195)
cut-out: 71.129,52.851 cw(c71.129,53.101) 70.879,53.101 cw(c71.129,53.101) 71.129,53.351 cw(c71.129,53.101) 71.379,53.101 cw(c71.129,53.101)
cut-out: 70.3,51.343 cw(c70.3,51.593) 70.05,51.593 cw(c70.3,51.593) 70.3,51.843 cw(c70.3,51.593) 70.55,51.593 cw(c70.3,51.593)
cut-out: 69.434,53.146 ccw(c69.434,53.396) 69.684,53.396 ccw(c69.434,53.396) 69.434,53.646 ccw(c69.434,53.396) 69.184,53.396 ccw(c69.434,53.396)
cut-out: 69.867,52.245 cw(c69.867,52.495) 69.617,52.495 cw(c69.867,52.495) 69.867,52.745 cw(c69.867,52.495) 70.117,52.495 cw(c69.867,52.495)
cut-out: 64.949,56.878 ccw(c64.949,57.128) 65.199,57.128 ccw(c64.949,57.128) 64.949,57.378 ccw(c64.949,57.128) 64.699,57.128 ccw(c64.949,57.128)
cut-out: 62.92,58.139 60.239,68.194 53.613,71.751 cw(c54.086,72.632) 54.559,73.513 61.184,69.957 100.012,70.141 98.741,88.359 cw(c99.739,88.429) 100.736,88.499 102.086,69.143 109.608,69.144 cw(c109.59,68.144) 109.59,67.144 64.718,67.141 70.317,55.484 cw(c69.415,55.052) 68.514,54.619 64.617,62.731 63.822,62.519 64.852,58.654 cw(c63.886,58.397)
cut-out: 65.206,55.911 cw(c65.206,56.161) 64.956,56.161 cw(c65.206,56.161) 65.206,56.411 cw(c65.206,56.161) 65.456,56.161 cw(c65.206,56.161)
cut-out: 63.861,54.834 cw(c64.111,54.834) 64.111,55.084 cw(c64.111,54.834) 64.361,54.834 cw(c64.111,54.834) 64.111,54.584 cw(c64.111,54.834)
cut-out: 63.596,56.517 cw(c63.596,56.767) 63.346,56.767 cw(c63.596,56.767) 63.596,57.017 cw(c63.596,56.767) 63.846,56.767 cw(c63.596,56.767)
cut-out: 63.854,55.551 cw(c63.854,55.801) 63.604,55.801 cw(c63.854,55.801) 63.854,56.051 cw(c63.854,55.801) 64.104,55.801 cw(c63.854,55.801)
cut-out: 20.436,100.125 cw(c20.436,100.375) 20.186,100.375 cw(c20.436,100.375) 20.436,100.625 cw(c20.436,100.375) 20.686,100.375 cw(c20.436,100.375)
cut-out: 19.95,99.403 cw(c20.2,99.403) 20.2,99.653 cw(c20.2,99.403) 20.45,99.403 cw(c20.2,99.403) 20.2,99.153 cw(c20.2,99.403)
cut-out: 18.84,99.483 cw(c18.84,99.733) 18.59,99.733 cw(c18.84,99.733) 18.84,99.983 cw(c18.84,99.733) 19.09,99.733 cw(c18.84,99.733)
cut-out: 19.965,98.182 cw(c19.965,98.432) 19.715,98.432 cw(c19.965,98.432) 19.965,98.682 cw(c19.965,98.432) 20.215,98.432 cw(c19.965,98.432)
cut-out: 18.604,98.511 ccw(c18.604,98.761) 18.854,98.761 ccw(c18.604,98.761) 18.604,99.011 ccw(c18.604,98.761) 18.354,98.761 ccw(c18.604,98.761)
cut-out: 14.446,84.516 ccw(c15.422,84.297) 16.397,84.078 17.931,90.908 23.657,87.834 ccw(c24.13,88.715) 24.603,89.596 18.876,92.67 19.903,96.903 ccw(c18.931,97.139) 17.959,97.374 17.498,95.475 16.802,95.011
cut-out: 15.776,82.43 ccw(c15.776,82.68) 16.026,82.68 ccw(c15.776,82.68) 15.776,82.93 ccw(c15.776,82.68) 15.526,82.68 ccw(c15.776,82.68)
cut-out: 14.41,82.737 cw(c14.41,82.987) 14.16,82.987 cw(c14.41,82.987) 14.41,83.237 cw(c14.41,82.987) 14.66,82.987 cw(c14.41,82.987)
cut-out: 13.941,82.011 cw(c14.191,82.011) 14.191,82.261 cw(c14.191,82.011) 14.441,82.011 cw(c14.191,82.011) 14.191,81.761 cw(c14.191,82.011)
cut-out: 15.557,81.454 cw(c15.557,81.704) 15.307,81.704 cw(c15.557,81.704) 15.557,81.954 cw(c15.557,81.704) 15.807,81.704 cw(c15.557,81.704)
cut-out: 15.088,80.729 cw(c15.338,80.729) 15.338,80.979 cw(c15.338,80.729) 15.588,80.729 cw(c15.338,80.729) 15.338,80.479 cw(c15.338,80.729)
cut-out: 13.972,80.785 cw(c13.972,81.035) 13.722,81.035 cw(c13.972,81.035) 13.972,81.285 cw(c13.972,81.035) 14.222,81.035 cw(c13.972,81.035)
cut-out: 8.97,60.123 ccw(c9.945,59.904) 10.921,59.685 15.302,79.199 ccw(c14.326,79.418) 13.351,79.637
cut-out: 10.3,58.037 cw(c10.3,58.287) 10.05,58.287 cw(c10.3,58.287) 10.3,58.537 cw(c10.3,58.287) 10.55,58.287 cw(c10.3,58.287)
cut-out: 8.934,58.344 cw(c8.934,58.594) 8.684,58.594 cw(c8.934,58.594) 8.934,58.844 cw(c8.934,58.594) 9.184,58.594 cw(c8.934,58.594)
cut-out: 8.465,57.618 cw(c8.715,57.618) 8.715,57.868 cw(c8.715,57.618) 8.965,57.618 cw(c8.715,57.618) 8.715,57.368 cw(c8.715,57.618)
cut-out: 10.081,57.062 cw(c10.081,57.312) 9.831,57.312 cw(c10.081,57.312) 10.081,57.562 cw(c10.081,57.312) 10.331,57.312 cw(c10.081,57.312)
cut-out: 8.496,56.393 cw(c8.496,56.643) 8.246,56.643 cw(c8.496,56.643) 8.496,56.893 cw(c8.496,56.643) 8.746,56.643 cw(c8.496,56.643)
cut-out: 9.612,56.336 cw(c9.862,56.336) 9.862,56.586 cw(c9.862,56.336) 10.112,56.336 cw(c9.862,56.336) 9.862,56.086 cw(c9.862,56.336)
cut-out: 3.493,35.73 ccw(c4.469,35.511) 5.445,35.292 9.826,54.807 ccw(c8.85,55.026) 7.874,55.245
cut-out: 4.823,33.644 cw(c4.823,33.894) 4.573,33.894 cw(c4.823,33.894) 4.823,34.144 cw(c4.823,33.894) 5.073,33.894 cw(c4.823,33.894)
cut-out: 3.457,33.951 cw(c3.457,34.201) 3.207,34.201 cw(c3.457,34.201) 3.457,34.451 cw(c3.457,34.201) 3.707,34.201 cw(c3.457,34.201)
cut-out: 2.988,33.225 cw(c3.238,33.225) 3.238,33.475 cw(c3.238,33.225) 3.488,33.225 cw(c3.238,33.225) 3.238,32.975 cw(c3.238,33.225)
cut-out: 4.604,32.669 cw(c4.604,32.919) 4.354,32.919 cw(c4.604,32.919) 4.604,33.169 cw(c4.604,32.919) 4.854,32.919 cw(c4.604,32.919)
cut-out: 4.135,31.943 cw(c4.385,31.943) 4.385,32.193 cw(c4.385,31.943) 4.635,31.943 cw(c4.385,31.943) 4.385,31.693 cw(c4.385,31.943)
cut-out: 3.019,32 cw(c3.019,32.25) 2.769,32.25 cw(c3.019,32.25) 3.019,32.5 cw(c3.019,32.25) 3.269,32.25 cw(c3.019,32.25)
cut-out: 162.995,21.66 cw(c162.633,22.591) 162.263,23.521 168.341,25.887 167.197,35.822 cw(c168.191,35.936) 169.184,36.05 170.445,25.096 168.72,16.4 cw(c167.739,16.594) 166.758,16.789 168.121,23.655
cut-out: 161.239,21.395 ccw(c161.489,21.395) 161.489,21.145 ccw(c161.489,21.395) 161.739,21.395 ccw(c161.489,21.395) 161.489,21.645 ccw(c161.489,21.395)
cut-out: 167.884,14.987 ccw(c168.134,14.987) 168.134,14.737 ccw(c168.134,14.987) 168.384,14.987 ccw(c168.134,14.987) 168.134,15.237 ccw(c168.134,14.987)
cut-out: 166.511,15.259 ccw(c166.761,15.259) 166.761,15.009 ccw(c166.761,15.259) 167.011,15.259 ccw(c166.761,15.259) 166.761,15.509 ccw(c166.761,15.259)
cut-out: 167.689,14.006 cw(c167.939,14.006) 167.939,14.256 cw(c167.939,14.006) 168.189,14.006 cw(c167.939,14.006) 167.939,13.756 cw(c167.939,14.006)
cut-out: 166.316,14.278 ccw(c166.566,14.278) 166.566,14.028 ccw(c166.566,14.278) 166.816,14.278 ccw(c166.566,14.278) 166.566,14.528 ccw(c166.566,14.278)
cut-out: 160.731,22.699 ccw(c160.981,22.699) 160.981,22.449 ccw(c160.981,22.699) 161.231,22.699 ccw(c160.981,22.699) 160.981,22.949 ccw(c160.981,22.699)
cut-out: 159.799,22.337 ccw(c160.049,22.337) 160.049,22.087 ccw(c160.049,22.337) 160.299,22.337 ccw(c160.049,22.337) 160.049,22.587 ccw(c160.049,22.337)
cut-out: 158.867,21.974 ccw(c159.117,21.974) 159.117,21.724 ccw(c159.117,21.974) 159.367,21.974 ccw(c159.117,21.974) 159.117,22.224 ccw(c159.117,21.974)
cut-out: 160.307,21.032 ccw(c160.557,21.032) 160.557,20.782 ccw(c160.557,21.032) 160.807,21.032 ccw(c160.557,21.032) 160.557,21.282 ccw(c160.557,21.032)
cut-out: 159.375,20.669 ccw(c159.625,20.669) 159.625,20.419 ccw(c159.625,20.669) 159.875,20.669 ccw(c159.625,20.669) 159.625,20.919 ccw(c159.625,20.669)
cut-out: 138.616,13.742 ccw(c138.616,13.992) 138.866,13.992 ccw(c138.616,13.992) 138.616,14.242 ccw(c138.616,13.992) 138.366,13.992 ccw(c138.616,13.992)
cut-out: 167.495,13.025 ccw(c167.745,13.025) 167.745,12.775 ccw(c167.745,13.025) 167.995,13.025 ccw(c167.745,13.025) 167.745,13.275 ccw(c167.745,13.025)
cut-out: 166.122,13.297 cw(c166.372,13.297) 166.372,13.547 cw(c166.372,13.297) 166.622,13.297 cw(c166.372,13.297) 166.372,13.047 cw(c166.372,13.297)
cut-out: 161.893,-7.733 ccw(c162.874,-7.928) 163.855,-8.122 167.747,11.495 ccw(c166.766,11.69) 165.785,11.885
cut-out: 163.019,-9.535 ccw(c163.269,-9.535) 163.269,-9.785 ccw(c163.269,-9.535) 163.519,-9.535 ccw(c163.269,-9.535) 163.269,-9.285 ccw(c163.269,-9.535)
cut-out: 161.646,-9.263 ccw(c161.896,-9.263) 161.896,-9.513 ccw(c161.896,-9.263) 162.146,-9.263 ccw(c161.896,-9.263) 161.896,-9.013 ccw(c161.896,-9.263)
cut-out: 162.824,-10.516 cw(c163.074,-10.516) 163.074,-10.266 cw(c163.074,-10.516) 163.324,-10.516 cw(c163.074,-10.516) 163.074,-10.766 cw(c163.074,-10.516)
cut-out: 140.631,12.952 cw(c140.268,13.884) 139.899,14.813 157.617,21.712 cw(c157.973,20.777) 158.336,19.845
cut-out: 138.874,12.687 cw(c139.124,12.687) 139.124,12.937 cw(c139.124,12.687) 139.374,12.687 cw(c139.124,12.687) 139.124,12.437 cw(c139.124,12.687)
cut-out: 137.434,13.629 ccw(c137.684,13.629) 137.684,13.379 ccw(c137.684,13.629) 137.934,13.629 ccw(c137.684,13.629) 137.684,13.879 ccw(c137.684,13.629)
cut-out: 136.753,13.016 ccw(c136.753,13.266) 137.003,13.266 ccw(c136.753,13.266) 136.753,13.516 ccw(c136.753,13.266) 136.503,13.266 ccw(c136.753,13.266)
cut-out: 161.451,-10.244 ccw(c161.701,-10.244) 161.701,-10.494 ccw(c161.701,-10.244) 161.951,-10.244 ccw(c161.701,-10.244) 161.701,-9.994 ccw(c161.701,-10.244)
cut-out: 161.257,-11.225 ccw(c161.507,-11.225) 161.507,-11.475 ccw(c161.507,-11.225) 161.757,-11.225 ccw(c161.507,-11.225) 161.507,-10.975 ccw(c161.507,-11.225)
cut-out: 137.942,12.324 ccw(c138.192,12.324) 138.192,12.074 ccw(c138.192,12.324) 138.442,12.324 ccw(c138.192,12.324) 138.192,12.574 ccw(c138.192,12.324)
cut-out: 137.011,11.961 cw(c137.261,11.961) 137.261,12.211 cw(c137.261,11.961) 137.511,11.961 cw(c137.261,11.961) 137.261,11.711 cw(c137.261,11.961)
cut-out: 103.362,14.435 ccw(c103.612,14.435) 103.612,14.185 ccw(c103.612,14.435) 103.862,14.435 ccw(c103.612,14.435) 103.612,14.685 ccw(c103.612,14.435)
cut-out: 102.379,14.617 ccw(c102.629,14.617) 102.629,14.367 ccw(c102.629,14.617) 102.879,14.617 ccw(c102.629,14.617) 102.629,14.867 ccw(c102.629,14.617)
cut-out: 102.099,11.508 ccw(c102.099,11.758) 102.349,11.758 ccw(c102.099,11.758) 102.099,12.008 ccw(c102.099,11.758) 101.849,11.758 ccw(c102.099,11.758)
cut-out: 118.39,3.433 cw(c118.64,3.433) 118.64,3.683 cw(c118.64,3.433) 118.89,3.433 cw(c118.64,3.433) 118.64,3.183 cw(c118.64,3.433)
cut-out: 102.833,11.576 ccw(c103.083,11.576) 103.083,11.326 ccw(c103.083,11.576) 103.333,11.576 ccw(c103.083,11.576) 103.083,11.826 ccw(c103.083,11.576)
cut-out: 101.646,14.549 ccw(c101.646,14.799) 101.896,14.799 ccw(c101.646,14.799) 101.646,15.049 ccw(c101.646,14.799) 101.396,14.799 ccw(c101.646,14.799)
cut-out: 99.429,15.163 ccw(c99.679,15.163) 99.679,14.913 ccw(c99.679,15.163) 99.929,15.163 ccw(c99.679,15.163) 99.679,15.413 ccw(c99.679,15.163)
cut-out: 100.412,14.981 ccw(c100.662,14.981) 100.662,14.731 ccw(c100.662,14.981) 100.912,14.981 ccw(c100.662,14.981) 100.662,15.231 ccw(c100.662,14.981)
cut-out: 101.116,11.69 ccw(c101.116,11.94) 101.366,11.94 ccw(c101.116,11.94) 101.116,12.19 ccw(c101.116,11.94) 100.866,11.94 ccw(c101.116,11.94)
cut-out: 99.883,12.122 ccw(c100.133,12.122) 100.133,11.872 ccw(c100.133,12.122) 100.383,12.122 ccw(c100.133,12.122) 100.133,12.372 ccw(c100.133,12.122)
cut-out: 98.899,12.304 ccw(c99.149,12.304) 99.149,12.054 ccw(c99.149,12.304) 99.399,12.304 ccw(c99.149,12.304) 99.149,12.554 ccw(c99.149,12.304)
cut-out: 126.436,1.441 ccw(c126.436,1.691) 126.686,1.691 ccw(c126.436,1.691) 126.436,1.941 ccw(c126.436,1.691) 126.186,1.691 ccw(c126.436,1.691)
cut-out: 124.787,1.763 ccw(c125.037,1.763) 125.037,1.513 ccw(c125.037,1.763) 125.287,1.763 ccw(c125.037,1.763) 125.037,2.013 ccw(c125.037,1.763)
cut-out: 126.135,0.692 ccw(c126.385,0.692) 126.385,0.442 ccw(c126.385,0.692) 126.635,0.692 ccw(c126.385,0.692) 126.385,0.942 ccw(c126.385,0.692)
cut-out: 126.084,-0.306 cw(c126.334,-0.306) 126.334,-0.056 cw(c126.334,-0.306) 126.584,-0.306 cw(c126.334,-0.306) 126.334,-0.556 cw(c126.334,-0.306)
cut-out: 124.736,0.764 ccw(c124.986,0.764) 124.986,0.514 ccw(c124.986,0.764) 125.236,0.764 ccw(c124.986,0.764) 124.986,1.014 ccw(c124.986,0.764)
cut-out: 120.844,2.899 cw(c120.271,3.719) 119.698,4.538 119.697,4.538 124.296,7.754 104.88,10.921 cw(c105.165,12.669) 105.525,14.403 127.261,9.892 135.253,13.004 cw(c135.609,12.069) 135.972,11.138 127.041,7.66 126.812,3.174 cw(c125.813,3.225) 124.814,3.276 124.941,5.765
cut-out: 119.443,2.035 ccw(c119.443,2.285) 119.693,2.285 ccw(c119.443,2.285) 119.443,2.535 ccw(c119.443,2.285) 119.193,2.285 ccw(c119.443,2.285)
cut-out: 117.571,2.86 ccw(c117.821,2.86) 117.821,2.61 ccw(c117.821,2.86) 118.071,2.86 ccw(c117.821,2.86) 117.821,3.11 ccw(c117.821,2.86)
cut-out: 116.751,2.286 ccw(c117.001,2.286) 117.001,2.036 ccw(c117.001,2.286) 117.251,2.286 ccw(c117.001,2.286) 117.001,2.536 ccw(c117.001,2.286)
cut-out: 118.373,1.712 ccw(c118.623,1.712) 118.623,1.462 ccw(c118.623,1.712) 118.873,1.712 ccw(c118.623,1.712) 118.623,1.962 ccw(c118.623,1.712)
cut-out: 124.685,-0.235 ccw(c124.935,-0.235) 124.935,-0.485 ccw(c124.935,-0.235) 125.185,-0.235 ccw(c124.935,-0.235) 124.935,0.015 ccw(c124.935,-0.235)
cut-out: 117.554,1.139 ccw(c117.804,1.139) 117.804,0.889 ccw(c117.804,1.139) 118.054,1.139 ccw(c117.804,1.139) 117.804,1.389 ccw(c117.804,1.139)
cut-out: 162.63,-11.497 ccw(c162.88,-11.497) 162.88,-11.747 ccw(c162.88,-11.497) 163.13,-11.497 ccw(c162.88,-11.497) 162.88,-11.247 ccw(c162.88,-11.497)
cut-out: 157.029,-32.255 ccw(c158.009,-32.45) 158.99,-32.644 162.882,-13.027 ccw(c161.901,-12.832) 160.92,-12.638
cut-out: 156.781,-33.785 ccw(c157.031,-33.785) 157.031,-34.035 ccw(c157.031,-33.785) 157.281,-33.785 ccw(c157.031,-33.785) 157.031,-33.535 ccw(c157.031,-33.785)
cut-out: 158.404,-34.307 ccw(c158.404,-34.057) 158.654,-34.057 ccw(c158.404,-34.057) 158.404,-33.807 ccw(c158.404,-34.057) 158.154,-34.057 ccw(c158.404,-34.057)
cut-out: 157.96,-35.038 ccw(c158.21,-35.038) 158.21,-35.288 ccw(c158.21,-35.038) 158.46,-35.038 ccw(c158.21,-35.038) 158.21,-34.788 ccw(c158.21,-35.038)
cut-out: 157.765,-36.019 ccw(c158.015,-36.019) 158.015,-36.269 ccw(c158.015,-36.019) 158.265,-36.019 ccw(c158.015,-36.019) 158.015,-35.769 ccw(c158.015,-36.019)
cut-out: 124.911,-23.276 ccw(c125.161,-23.276) 125.161,-23.526 ccw(c125.161,-23.276) 125.411,-23.276 ccw(c125.161,-23.276) 125.161,-23.026 ccw(c125.161,-23.276)
cut-out: 124.86,-24.275 ccw(c125.11,-24.275) 125.11,-24.525 ccw(c125.11,-24.275) 125.36,-24.275 ccw(c125.11,-24.275) 125.11,-24.025 ccw(c125.11,-24.275)
cut-out: 124.809,-25.274 cw(c125.059,-25.274) 125.059,-25.024 cw(c125.059,-25.274) 125.309,-25.274 cw(c125.059,-25.274) 125.059,-25.524 cw(c125.059,-25.274)
cut-out: 156.586,-34.766 ccw(c156.836,-34.766) 156.836,-35.016 ccw(c156.836,-34.766) 157.086,-34.766 ccw(c156.836,-34.766) 156.836,-34.516 ccw(c156.836,-34.766)
cut-out: 156.392,-35.747 ccw(c156.642,-35.747) 156.642,-35.997 ccw(c156.642,-35.747) 156.892,-35.747 ccw(c156.642,-35.747) 156.642,-35.497 ccw(c156.642,-35.747)
cut-out: 152.164,-56.777 ccw(c153.144,-56.972) 154.125,-57.166 158.017,-37.549 ccw(c157.036,-37.354) 156.056,-37.16
cut-out: 153.289,-58.579 ccw(c153.539,-58.579) 153.539,-58.829 ccw(c153.539,-58.579) 153.789,-58.579 ccw(c153.539,-58.579) 153.539,-58.329 ccw(c153.539,-58.579)
cut-out: 151.916,-58.307 ccw(c152.166,-58.307) 152.166,-58.557 ccw(c152.166,-58.307) 152.416,-58.307 ccw(c152.166,-58.307) 152.166,-58.057 ccw(c152.166,-58.307)
cut-out: 151.721,-59.288 cw(c151.971,-59.288) 151.971,-59.038 cw(c151.971,-59.288) 152.221,-59.288 cw(c151.971,-59.288) 151.971,-59.538 cw(c151.971,-59.288)
cut-out: 153.095,-59.56 ccw(c153.345,-59.56) 153.345,-59.81 ccw(c153.345,-59.56) 153.595,-59.56 ccw(c153.345,-59.56) 153.345,-59.31 ccw(c153.345,-59.56)
cut-out: 152.9,-60.541 ccw(c153.15,-60.541) 153.15,-60.791 ccw(c153.15,-60.541) 153.4,-60.541 ccw(c153.15,-60.541) 153.15,-60.291 ccw(c153.15,-60.541)
cut-out: 151.527,-60.269 ccw(c151.777,-60.269) 151.777,-60.519 ccw(c151.777,-60.269) 152.027,-60.269 ccw(c151.777,-60.269) 151.777,-60.019 ccw(c151.777,-60.269)
cut-out: 143.533,-65.181 cw(c143.654,-64.188) 143.774,-63.195 150.723,-64.038 151.191,-61.682 cw(c152.171,-61.876) 153.152,-62.071 152.324,-66.246
cut-out: 141.999,-63.312 ccw(c142.249,-63.312) 142.249,-63.562 ccw(c142.249,-63.312) 142.499,-63.312 ccw(c142.249,-63.312) 142.249,-63.062 ccw(c142.249,-63.312)
cut-out: 140.013,-63.072 ccw(c140.263,-63.072) 140.263,-63.322 ccw(c140.263,-63.072) 140.513,-63.072 ccw(c140.263,-63.072) 140.263,-62.822 ccw(c140.263,-63.072)
cut-out: 141.006,-63.192 ccw(c141.256,-63.192) 141.256,-63.442 ccw(c141.256,-63.192) 141.506,-63.192 ccw(c141.256,-63.192) 141.256,-62.942 ccw(c141.256,-63.192)
cut-out: 142.08,-64.952 ccw(c142.08,-64.702) 142.33,-64.702 ccw(c142.08,-64.702) 142.08,-64.452 ccw(c142.08,-64.702) 141.83,-64.702 ccw(c142.08,-64.702)
cut-out: 140.838,-64.582 cw(c141.088,-64.582) 141.088,-64.332 cw(c141.088,-64.582) 141.338,-64.582 cw(c141.088,-64.582) 141.088,-64.832 cw(c141.088,-64.582)
cut-out: 139.845,-64.461 ccw(c140.095,-64.461) 140.095,-64.711 ccw(c140.095,-64.461) 140.345,-64.461 ccw(c140.095,-64.461) 140.095,-64.211 ccw(c140.095,-64.461)
cut-out: 123.539,-21.692 ccw(c124.538,-21.743) 125.537,-21.794 126.557,-1.82 ccw(c125.558,-1.769) 124.559,-1.718
cut-out: 123.513,-23.205 ccw(c123.763,-23.205) 123.763,-23.455 ccw(c123.763,-23.205) 124.013,-23.205 ccw(c123.763,-23.205) 123.763,-22.955 ccw(c123.763,-23.205)
cut-out: 123.462,-24.204 ccw(c123.712,-24.204) 123.712,-24.454 ccw(c123.712,-24.204) 123.962,-24.204 ccw(c123.712,-24.204) 123.712,-23.954 ccw(c123.712,-24.204)
cut-out: 123.411,-25.202 cw(c123.661,-25.202) 123.661,-24.952 cw(c123.661,-25.202) 123.911,-25.202 cw(c123.661,-25.202) 123.661,-25.452 cw(c123.661,-25.202)
cut-out: 123.636,-48.244 ccw(c123.886,-48.244) 123.886,-48.494 ccw(c123.886,-48.244) 124.136,-48.244 ccw(c123.886,-48.244) 123.886,-47.994 ccw(c123.886,-48.244)
cut-out: 123.585,-49.243 ccw(c123.835,-49.243) 123.835,-49.493 ccw(c123.835,-49.243) 124.085,-49.243 ccw(c123.835,-49.243) 123.835,-48.993 ccw(c123.835,-49.243)